# Altium PCB VESC_6.4.1.PcbDoc (continued)
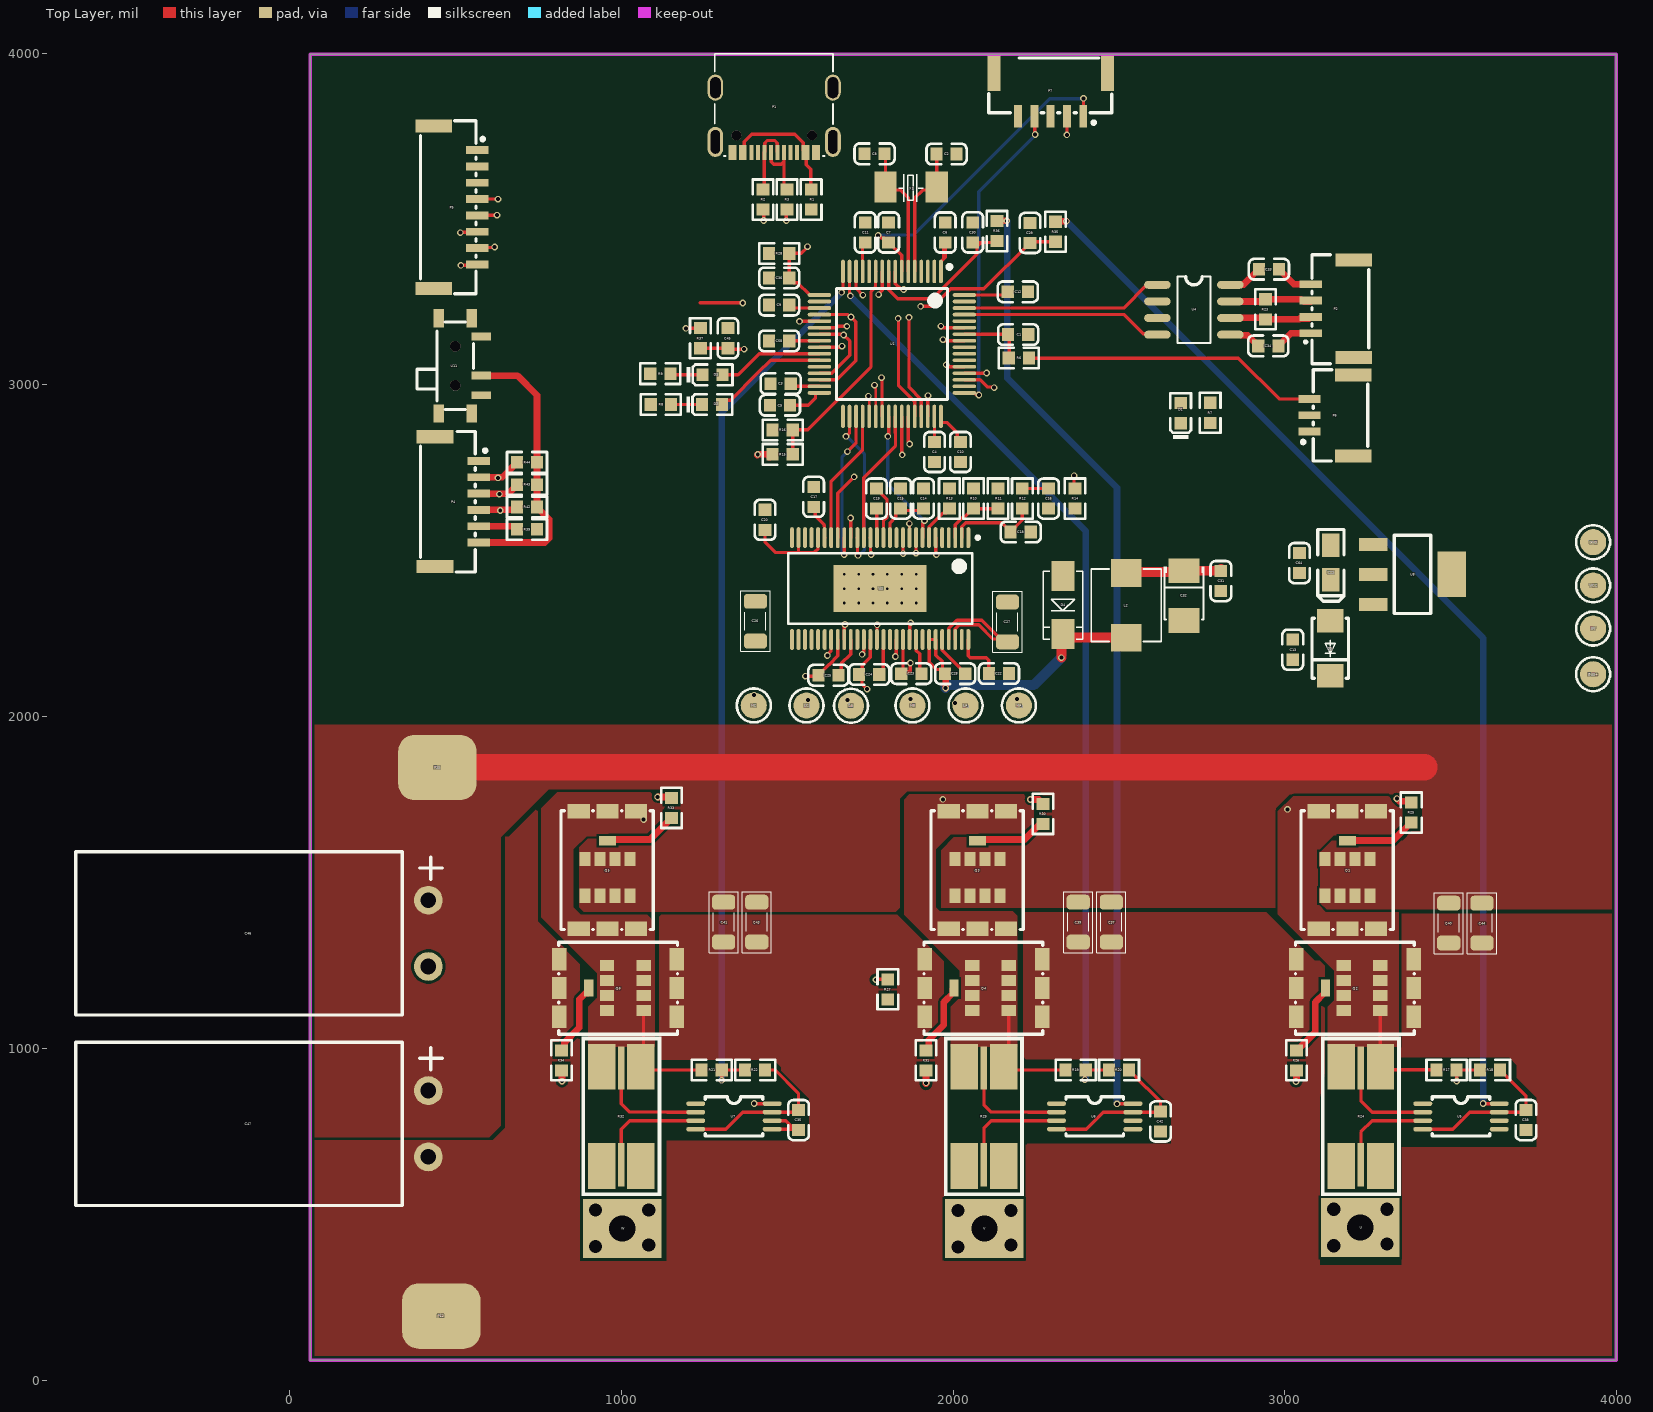
[diagram p0: Top Layer view]
## Footprints (in the part's own frame and the unit in brackets; to place one, negate y for a bottom-side part, rotate by r counter-clockwise, add the part's x,y. Pads: shape width x height; smd on the part's side, far side on the other; paste and mask are expansions set on the pad)
0603_C [mm]
  rect 0.93x0.98 smd: 1(-0.77,0) 2(0.77,0)
  silkscreen extent -1.53,-0.79 1.54,0.79, body extent -0.8,-0.4 0.8,0.4, height 0.3
0603_LED_S1 [mm]
  rect 0.93x0.98 smd: A(0.77,0) K(-0.77,0)
  silkscreen extent -1.98,-0.79 1.54,0.79, body extent -0.8,-0.4 0.8,0.4, height 0.6
0603_R [mm]
  rect 0.93x0.98 smd: 1(-0.77,0) 2(0.77,0)
  silkscreen extent -1.53,-0.79 1.54,0.79, body extent -0.85,-0.4 0.85,0.4, height 0.56
1206_C [mil] "Capacitor"
  rrect50% 45x70 smd: 1(-60,0) 2(60,0)
  silkscreen extent -92,-44 91,44, body extent -63,-31 63,31, height 47
CAP-SMD_L3.5-W2.8-R-RD [mm] "100uf"
  rect 1.9x2.376 smd mask+0.051: 1(1.899,0) 2(-1.899,0)
  silkscreen extent -1.83,-1.55 2.21,1.55, body extent -1.85,-1.4 1.85,1.4, height 1.95
CAP-TH_BD12.5-P5.00-D1.2-FD [mm]
  round 2.2 hole 1.2: 1(-2.54,0) 2(2.54,0)
  silkscreen extent -6.24,-27 6.26,1.07, body extent -6.5,-28.78 6.49,1.22, height 6.49
CASE-A_3216 [mm]
  rect 1.8x1.35 smd: 1(1.31,0) 2(-1.31,0)
  silkscreen extent -2.54,-1 2.97,1, body extent -1.7,-0.84 1.7,0.84, height 1.71
CONN-SMD_3P-P1.25_XUNPU_WAFER-GH1.25-3PLB [mm]
  rect 0.6x1.7 smd: 1(-1.25,1.675) 2(0,1.675) 3(1.25,1.675)
  rect 1x2.8 smd: 4(3.1,-1.675) 5(-3.1,-1.675)
  silkscreen extent -3.5,-2.79 3.5,2.29, body extent -3.53,-2.78 3.53,2.17, height 4.2
CONN-SMD_4P-P1.25_GH1.25-4PLI [mm]
  rect 0.6x1.7 smd: 1(-1.875,1.65) 2(-0.625,1.65) 3(0.625,1.65) 4(1.875,1.65)
  rect 1x2.8 smd: 5(-3.725,-1.65) 6(3.725,-1.65)
  silkscreen extent -4.21,-2.8 4.13,2.14, body extent -4.13,-2.66 4.17,2.28, height 4.03
CONN-SMD_5P-P1.25_XUNPU_WAFER-GH1.25-5PLB [mm]
  rect 0.6x1.7 smd: 1(-2.5,1.675) 2(-1.25,1.675) 3(0,1.675) 4(1.25,1.675) 5(2.5,1.675)
  rect 1x2.8 smd: 6(4.35,-1.675) 7(-4.35,-1.675)
  silkscreen extent -4.69,-2.79 4.75,2.29, body extent -4.75,-2.8 4.75,2.16, height 4.2
CONN-SMD_6P-P1.25_WAFER-GH1.25-6PLB [mm]
  rect 0.6x1.7 smd: 1(-3.125,1.675) 2(-1.875,1.675) 3(-0.625,1.675) 4(0.625,1.675) 5(1.875,1.675) 6(3.125,1.675)
  rect 1x2.8 smd: 7(4.975,-1.675) 8(-4.975,-1.675)
  silkscreen extent -5.38,-2.79 5.37,2.29, body extent -5.4,-2.8 5.4,2.14, height 4.03
CONN-SMD_8P-P1.25_WAFER-GH1.25-8PLB [mm]
  rect 0.6x1.7 smd paste+0 mask+0.05: 1(-4.375,1.675) 2(-3.125,1.675) 3(-1.875,1.675) 4(-0.625,1.675) 5(0.625,1.675) 6(1.875,1.675) 7(3.125,1.675) 8(4.375,1.675)
  rect 1x2.8 smd paste+0 mask+0.05: 10(6.225,-1.675) 11(-6.225,-1.675)
  silkscreen extent -6.62,-2.67 6.63,2.21, body extent -6.63,-2.8 6.63,2.15, height 4.15
DIODE_3*5.3 [mm]
  rect 2.3x1.75 smd: 1(-2.286,0) 2(2.159,0)
  silkscreen extent -2.67,-1.5 2.54,1.5, body extent -2.6,-1.4 2.6,1.4, height 2
DIRECTFET_L9.1-W7.0_IRF7759L2TRPBF [mm]
  rect 0.7x1.3 smd: 1(-2.25,0)
  rect 1.1x1.7 smd: 2(-4.5,2.2) 2(-4.5,0) 2(-4.5,-2.2) 2(4.5,2.2) 2(4.5,0) 2(4.5,-2.2)
  rect 1.1x0.85 smd: 3(-0.85,1.725) 3(-0.85,0.575) 3(-0.85,-0.575) 3(-0.85,-1.725) 3(1.95,1.725) 3(1.95,-0.575) 3(1.95,0.575) 3(1.95,-1.725)
  silkscreen extent -4.55,-3.55 4.55,3.5, body extent -4.55,-3.5 4.55,3.5, height 0.84
DRV8301 [mm]
  oval 1.6x0.3 smd: 1(-3.9,6.75) 2(-3.9,6.25) 3(-3.9,5.75) 4(-3.9,5.25) 5(-3.9,4.75) 6(-3.9,4.25) 7(-3.9,3.75) 8(-3.9,3.25) 9(-3.9,2.75) 10(-3.9,2.25) 11(-3.9,1.75) 12(-3.9,1.25) 13(-3.9,0.75) 14(-3.9,0.25) 15(-3.9,-0.25) 16(-3.9,-0.75) 17(-3.9,-1.25) 18(-3.9,-1.75) 19(-3.9,-2.25) 20(-3.9,-2.75) 21(-3.9,-3.25) 22(-3.9,-3.75) 23(-3.9,-4.25) 24(-3.9,-4.75) 25(-3.9,-5.25) 26(-3.9,-5.75) 27(-3.9,-6.25) 28(-3.9,-6.75) 29(3.9,-6.75) 30(3.9,-6.25) 31(3.9,-5.75) 32(3.9,-5.25) 33(3.9,-4.75) 34(3.9,-4.25) 35(3.9,-3.75) 36(3.9,-3.25) 37(3.9,-2.75) 38(3.9,-2.25) 39(3.9,-1.75) 40(3.9,-1.25) 41(3.9,-0.75) 42(3.9,-0.25) 43(3.9,0.25) 44(3.9,0.75) 45(3.9,1.25) 46(3.9,1.75) 47(3.9,2.25) 48(3.9,2.75) 49(3.9,3.25) 50(3.9,3.75) 51(3.9,4.25) 52(3.9,4.75) 53(3.9,5.25) 54(3.9,5.75) 55(3.9,6.25) 56(3.9,6.75)
  rect 3.61x7.11 smd: 57(0,0)
  silkscreen extent -4.02,-7.05 2.7,7.6, body extent -4.05,-7.05 4.05,7.05, height 1.2
IND-SMD_L5.0-W5.0 [mm]
  rect 2.124x2.32 smd: 1(2.478,0) 2(-2.478,0)
  silkscreen extent -2.78,-2.68 2.78,2.68, body extent -2.52,-2.51 2.5,2.49, height 2.11
LQFP-64_10x10x05P [mm]
  oval 0.28x1.8 smd mask+0.051: 1(-3.75,-5.55) 2(-3.25,-5.55) 3(-2.75,-5.55) 4(-2.25,-5.55) 5(-1.75,-5.55) 6(-1.25,-5.55) 7(-0.75,-5.55) 8(-0.25,-5.55) 9(0.25,-5.55) 10(0.75,-5.55) 11(1.25,-5.55) 12(1.75,-5.55) 13(2.25,-5.55) 14(2.75,-5.55) 15(3.25,-5.55) 16(3.75,-5.55) 33(3.75,5.55) 34(3.25,5.55) 35(2.75,5.55) 36(2.25,5.55) 37(1.75,5.55) 38(1.25,5.55) 39(0.75,5.55) 40(0.25,5.55) 41(-0.25,5.55) 42(-0.75,5.55) 43(-1.25,5.55) 44(-1.75,5.55) 45(-2.25,5.55) 46(-2.75,5.55) 47(-3.25,5.55) 48(-3.75,5.55)
  oval 1.8x0.28 smd mask+0.051: 17(5.55,-3.75) 18(5.55,-3.25) 19(5.55,-2.75) 20(5.55,-2.25) 21(5.55,-1.75) 22(5.55,-1.25) 23(5.55,-0.75) 24(5.55,-0.25) 25(5.55,0.25) 26(5.55,0.75) 27(5.55,1.25) 28(5.55,1.75) 29(5.55,2.25) 30(5.55,2.75) 31(5.55,3.25) 32(5.55,3.75) 49(-5.55,3.75) 50(-5.55,3.25) 51(-5.55,2.75) 52(-5.55,2.25) 53(-5.55,1.75) 54(-5.55,1.25) 55(-5.55,0.75) 56(-5.55,0.25) 57(-5.55,-0.25) 58(-5.55,-0.75) 59(-5.55,-1.25) 60(-5.55,-1.75) 61(-5.55,-2.25) 62(-5.55,-2.75) 63(-5.55,-3.25) 64(-5.55,-3.75)
  silkscreen extent -4.55,-6.05 4.25,4.25, body extent -6.01,-6.01 6.01,6.01, height 1.6
MOTOR_PAD [mil]
  round 60 hole 39.37: 1(-55,80) 1(-50,-80) 1(55,80) 1(55,-80)
  rect 177.17x236.22 hole 78.74: 1(0,0)
MSK-12C01-07 [mm]
  rect 1.4x0.8 smd: 0(-3.65,-1.25) 0(-3.65,1.25) 0(3.65,-1.25) 0(3.65,1.25)
  rect 0.6x1.5 smd: 1(2.25,1.996) 2(0.75,1.996) 3(-2.25,1.996)
  round 0.8 hole 0.8: " "(-1.5,0) " "(1.5,0)
  silkscreen extent -3.35,-2.92 3.35,1.4, body extent -3.92,-2.89 3.92,2.41, height 1.5
"Power Pad 6x6mm" [mm]
  rrect50% 5x6 smd: 1(0,0)
R3920 [mm]
  rect 3.5x2.1 smd: 1(-3.8,-1.5) 1(-3.8,1.5) 2(3.8,-1.5) 2(3.8,1.5)
  rect 3.3x0.5 smd: 1(-3.7,0) 2(3.7,0)
  silkscreen extent -6.1,-3.05 6.1,3.05, body extent -5.46,-2.77 5.46,2.75, height 2
SMA_L4.4-W2.8-LS5.4-RD [mm]
  rect 1.8x2 smd: 1(-2.1,0) 2(2.1,0)
  silkscreen extent -2.3,-1.4 2.3,1.4, body extent -2.61,-1.3 2.59,1.3, height 2.4
SOT-223 [mm]
  rect 2.2x1 smd: 1(3,-2.3) 2(3,0) 3(3,2.3)
  rect 2.2x3.5 smd: 2(-3,0)
  silkscreen extent -1.4,-3 1.4,3, body extent -3.49,-3.24 3.49,3.24, height 1.64
TEST_2mm [mm] "2mm"
  round 2 smd: 1(0,0)
  silkscreen extent -1.3,-1.3 1.3,1.3
TJA1050 [mil]
  oval 80x23.62 smd: 1(0,0) 2(0,-50) 3(0,-100) 4(0,-150) 5(220,-150) 6(220,-100) 7(220,-50) 8(220,0)
  silkscreen extent 60,-175 160,25, body extent -3,-172 225,21, height 57
TSSOP-8_L4.4-W3.0-P0.65-LS6.4-BL [mil]
  oval 13.9x57.24 smd mask+2: 1(-38.39,-115.24) 2(-12.79,-115.24) 3(12.8,-115.24) 4(38.39,-115.24) 5(38.39,115.24) 6(12.8,115.24) 7(-12.79,115.24) 8(-38.39,115.24)
  silkscreen extent -59,-87 59,87, body extent -49,-127 49,127, height 44
"USB-C-SMD_16P - duplicate2" [mm]
  oval 1.2x2.3 hole 0.7 slot 1.8 at 90 deg: 1(4.5,-1.675) 2(-4.5,-1.675)
  oval 1.2x2 hole 0.8 slot 1.6 at 90 deg: 3(4.5,2.475) 4(-4.5,2.475)
  rect 0.6x1.15 smd: A1B12(3.2,-2.473) A4B9(2.4,-2.471) B1A12(-3.2,-2.475) B4A9(-2.4,-2.475)
  rect 0.3x1.15 smd: A5(1.25,-2.475) A6(0.25,-2.475) A7(-0.25,-2.473) B5(-1.75,-2.475) B6(-0.75,-2.475) B7(0.75,-2.473)
  rect 0.3x1.148 smd: A8(1.75,-2.475) B8(-1.25,-2.475)
  round 0.75 hole 0.75 unplated: ""(-2.89,-1.175) ""(2.89,-1.175)
  silkscreen extent -4.56,-2.75 4.5,5.08, body extent -4.45,-2.87 4.49,5.03, height 3.25
晶振 [mm] "XTAL_SMD5032"
  rect 1.7x2.4 smd: 1(-2.071,0.058) 2(1.85,0.057)
  silkscreen extent -1.06,-0.93 0.84,1.17, body extent -2.57,-1.45 2.43,1.75, height 1.41

## Part data
5V BUS+ GND HA HB HC LA LB LC VCC: "测试点"
C1 C7 C58: library part "0603 100nF (104) 10% 50V", "贴片电容", Package=0603, SuppliersPartNumber=C14663, ComponentLink1Description=供应商链接, ComponentLink1URL=http://www.szlcsc.com/product/details_15331.html, Supplier=LC
C2 C8 C34: library part CAP, "贴片电容"
  C34: LatestRevisionDate=17-Jul-2002, LatestRevisionNote="Re-released for DXP Platform.", PackageReference=RAD-0.3, Published=8-Jun-2000, Publisher="Altium Limited"
C3 C4 C5 C6 C9 C10 C11 C12 C13 C64: library part "0603 2.2uF (225) 10% 16V", "贴片电容", Package=0603, SuppliersPartNumber=C23630, ComponentLink1Description=供应商链接, ComponentLink1URL=http://www.szlcsc.com/product/details_24366.html, Supplier=LC
C14 C15 C16 C17 C18 C19 C20 C22 C23 C24 C25 C26 C27 C28 C29 C30 C31 C35 C36 C38 C42 C45: library part CAP
C21: library part "3528 100uF (107) 10% 6.3V", "钽电容", Package=3528, SuppliersPartNumber=C16133, ComponentLink1Description=供应商链接, ComponentLink1URL=http://www.szlcsc.com/product/details_16815.html, Supplier=LC
C32: library part CAP_HER
C33: library part CAP, "Capacitor", LatestRevisionDate=17-Jul-2002, LatestRevisionNote="Re-released for DXP Platform.", PackageReference=RAD-0.3, Published=8-Jun-2000, Publisher="Altium Limited"
C37 C39 C40 C41 C43 C44: library part Cap_6, "无极性电容", LatestRevisionDate=17-Jul-2002, LatestRevisionNote="Re-released for DXP Platform.", PackageReference=RAD-0.3, Published=8-Jun-2000, Publisher="Altium Limited"
C46 C47: library part 680uF, BOM_Manufacturer=AISHI, BOM_Manufacturer Part=ERR1JM681W25OT, BOM_Supplier=LCSC, BOM_Supplier Part=C106632, nameAlias=Capacitance, spicePre=C, spiceSymbolName=ERR1JM681W25OT
D1: library part "0603 蓝灯", "发光二极管", Package=0603, SuppliersPartNumber=C72041, ComponentLink1Description=供应商链接, ComponentLink1URL=http://www.szlcsc.com/product/details_73150.html, Supplier=LC
D2: library part "0603 红灯", "发光二极管", Package=0603, SuppliersPartNumber=C2286, ComponentLink1Description=供应商链接, ComponentLink1URL=http://www.szlcsc.com/product/details_2659.html, Supplier=LC
D3: library part "0603 绿灯", "发光二极管", Package=0603, SuppliersPartNumber=C72043, ComponentLink1Description=供应商链接, ComponentLink1URL=http://www.szlcsc.com/product/details_73152.html, Supplier=LC
D4: library part "D Schottky", "Schottky Diode", Code_JEDEC=DO-214-AA, LatestRevisionDate=17-Jul-2002, LatestRevisionNote="Re-released for DXP Platform.", PackageDescription="DO-214-AA/SMB; 2 C-Bend Leads; Body 5.3 x 3.6 mm, inc. leads (LxW)", PackageReference=SMB, Published=8-Jun-2000, Publisher="Altium Limited"
D5: BOM_Manufacturer="Shandong Jingdao Microelectronics", BOM_Manufacturer Part=SMAJ5.0A, BOM_Supplier=LCSC, BOM_Supplier Part=C353442, Contributor=LCSC, spicePre=D, spiceSymbolName=SMAJ5.0A_C353442
L2: library part IND
P1: library part "TYPE-C 16P(073)_1", BOM_Manufacturer="SHOU HAN", BOM_Manufacturer Part="TYPE-C 16P(073)", BOM_Supplier=LCSC, BOM_Supplier Part=C668624, Contributor=LCSC, spicePre=U, spiceSymbolName="TYPE-C 16P(073)"
P2: library part "Header 4", "Header, 4-Pin", LatestRevisionDate=17-Jul-2002, LatestRevisionNote="Re-released for DXP Platform.", Publisher="Altium Limited"
P4: library part "Header 6", "Header, 6-Pin", LatestRevisionDate=17-Jul-2002, LatestRevisionNote="Re-released for DXP Platform.", Publisher="Altium Limited"
P5: library part "Header 8", "Header, 8-Pin", LatestRevisionDate=17-Jul-2002, LatestRevisionNote="Re-released for DXP Platform.", Publisher="Altium Limited"
P6: library part "Header 3", "接插件", LatestRevisionDate=17-Jul-2002, LatestRevisionNote="Re-released for DXP Platform.", Publisher="Altium Limited"
P7: library part "Header 5", "Header, 5-Pin", LatestRevisionDate=17-Jul-2002, LatestRevisionNote="Re-released for DXP Platform.", Publisher="Altium Limited"
P11: library part PadS
P12: library part PadS_1
Q1 Q2 Q3 Q4 Q5 Q6: "MOS(场效应管)"
R1 R2 R3 R6 R7 R8 R9 R10 R11 R12 R13 R14 R15 R16 R17 R18 R19 R20 R21 R22 R27 R28 R35 R36 R37 R39 R42 R43 R44: library part Res2, "Resistor", LatestRevisionDate=17-Jul-2002, LatestRevisionNote="Re-released for DXP Platform.", PackageDescription="Axial Device, Thru-Hole; 2 Leads; 0.4 in Pin Spacing", PackageReference=AXIAL-0.4, Published=8-Jun-2000, Publisher="Altium Limited"
R23 R24 R25 R26 R29 R30 R31 R32 R33 R34: "贴片电阻", LatestRevisionDate=17-Jul-2002, LatestRevisionNote="Re-released for DXP Platform.", PackageReference=AXIAL-0.4, Published=8-Jun-2000, Publisher="Altium Limited"
U V W: library part HDR-PAD_2.54, "Header"
U3: "预驱"
U5 U6 U7: "INA240 电压输出、高/低侧测量、双向零漂移系列", JLCPCB Part Class=扩展库, Manufacturer=TI(德州仪器), Add into BOM=yes, Convert to PCB=yes, Datasheet=https://atta.szlcsc.com/upload/public/pdf/source/20180125/C93965_15168617716381301969.pdf, Device=INA240A1PWR, LCSC Part Name=INA240A1PWR, Manufacturer Part=INA240A1PWR, Name=INA240A1PWR, Supplier=LCSC, Supplier Footprint=TSSOP-8_3x4.4x065P, Supplier Part=C93965, Symbol=INA240A1PWR
U8: library part "SOT-223 AMS1117-3.3", "低压差线性稳压(LDO)", Package=SOT-223, SuppliersPartNumber=C6186, ComponentLink1Description=供应商链接, ComponentLink1URL=http://www.szlcsc.com/product/details_6652.html, Supplier=LC
X1: library part CRYSTAL, "XTAL_SMD5032 Crystal"

## Via types
v1: diameter 20, hole 12, Top Layer to Bottom Layer, 93 vias
v2: diameter 19.68, hole 7.87, Top Layer to Bottom Layer, 18 vias

## Nets (pads, with @x,y where several pads share a name; then routed paths per layer and width w, separated by ;. In a path a pad name is that pad's centre, name@x,y a point inside that pad or via, vN(x,y) a via of type N, cw(c..) or ccw(c..) an arc to the next point about the centre after c; other vN are vias at no path point)
+5: 5V.1 C13.2 C31.2 C32.1 C33.1 D5.1 L2.2 P2.4 P5.1 P6.2 R1.1 R11.1 U4.3 U8.3 U11.3 | length 405.9
  Top Layer w20: C33.1 2982.32,3348.02 2990.62,3339.71 2991.61,3339.71 3027.49,3303.82 P2.4
  Top Layer w30: L2.2 2525.2,2436.76 2692.8,2436.76 C32.1 2801.67,2439.97 2807.02,2445.32 C31.2@2808,2445.32
A: R24.2 U5.3 U.1 | length 299.3
  Top Layer w10: R24.2@3229.28,649.51 3229.28,748.28 3263.2,782.2 U5.3
ADC_15: P5.8 U1.25 | length 1456.4
  Top Layer w10: v1(515.91,3360.91) 562.88,3360.91 P5.8 ; U1.25 1659.04,3113.87 1662.29,3117.12 v1(1665,3117.12)
  power w10: v1(515.91,3360.91) 557.09,3360.91 905,3013 1466.86,3013 1570.98,3117.12 v1(1665,3117.12)
ADC_TEMP: C36.1 R27.1 R28.1 U1.17 | length 2847.6
  Top Layer w10: v1@1561,3416 1541.7,3396.71 R28.1 C36.1 1505.89,3321.86 1519.2,3308.55 1529.95,3308.55 1567.15,3271.35 U1.17 ; v1@1763,1205 1766.31,1208.31 R27.1
  GND w20: v1(1561,3417) 1561,3402.91 1245.9,3087.8 1245.9,1728 v1(1766.81,1207.09)
AN_IN: R15.1 R16.1 U1.11 | length 680.6
  Top Layer w10: R15.1 R16.1 ; R16.1@1516.31,2864.98 1561.98,2864.98 1752.51,3055.51 1752.51,3282.04 1766.17,3295.69 1766.17,3342.02 U1.11
B: R29.2 U6.3 V.1 | length 338.7
  Top Layer w10: R29.2@2092.89,649.51 2092.89,760.07 2115,782.18 2215.31,782.18 2215.7,781.79 2311.13,781.79 U6.3
C: R32.2 U7.3 W.1 | length 342.5
  Top Layer w10: R32.2@999.72,649.51 999.72,756.89 1025,782.18 1126.56,782.18 1126.95,781.79 1223.63,781.79 U7.3
CAN_RX: U1.61 U4.4 | length 606.7
  Top Layer w10: U1.61 2515.71,3212.29 2573.52,3154.48 2613.14,3154.48 U4.4
CAN_TX: U1.62 U4.1 | length 610.6
  Top Layer w10: U1.62 2513.98,3231.98 2583.87,3301.87 U4.1
CANH: P2.3 R23.2 U4.7 | length 245.1
  Top Layer w20: U4.7 R23.2@2942,3251.87 ; R23.2 3049.68,3258.32 3056.38,3251.61 P2.3@3078.03,3251.61
CANL: P2.2 R23.1 U4.6 | length 243.4
  Top Layer w20: U4.6 2836.44,3202.56 R23.1@2942,3202.56 ; R23.1 3042.85,3197.69 3045.74,3200.57 3072.56,3200.57 P2.2@3076.18,3204.2
CURRENT_1: C29.1 R35.1 U1.8 | length 628.8
  Top Layer w10: U1.8 1825.61,3342.02 1825.61,3305.6 1841.54,3289.68 1848.85,3289.68 v1(1850.76,3287.76) ; v1(1902,3237) 1939.56,3237 1992.42,3289.86 2092.87,3289.86 2231.02,3428 C29.1 2235.69,3431.69 R35.1
  power w10: v1(1850.76,3287.76) 1851,3287.76 1901.76,3237 v1(1902,3237)
CURRENT_2: C30.1 R36.1 U1.9 | length 606.5
  Top Layer w10: 1238,3247.69 1365.31,3247.69 v1(1365.75,3247.25) ; U1.9 1805.93,3342.02 1805.93,3287.07 1833,3260 1937.1,3260 2071.71,3394.61 2071.71,3416.09 2085.02,3429.39 2086,3429.39 R36.1@2116,3429.39 ; C30.1 C30.1@2078.29,3429.69
CURRENT_3: C45.1 R37.1 U1.10 | length 680.8
  Top Layer w10: R37.1 C45.1 1323.68,3108 v1(1370,3108) ; v1(1775.51,3272.51) 1775.51,3275.21 1786.05,3285.75 U1.10
  power w10: v1(1370,3108) 1412.88,3108 1532.88,3228 1729.46,3228 1773.97,3272.51 v1(1775.51,3272.51)
EN_GATE: U1.57 U3.16 | length 855.9
  Top Layer w10: U3.16 1750.81,2539.45 1750.81,2493.89 1753,2491.71 v1(1753,2489) ; v1@1968,3135 1969.45,3133.55 U1.57
  power w10: v1(1753,2489) 1753,2516 1956,2719 1956,3123.56 v1(1969.25,3136.81)
FAULT: U1.59 U3.6 | length 1021.3
  Top Layer w10: U3.6 1947.66,2539.45 1947.66,2493.32 1949.62,2491.36 v1(1949.62,2488.66) ; v1@1962,3175 1964.08,3172.92 U1.59
  power w10: v1(1949.62,2488.66) 2164.59,2703.62 2164.59,3035.41 2022.78,3177.22 v1(1962.84,3177.22)
GH_A: HA.1 R25.1 U3.47 | length 1848.9
  Top Layer w10: U3.47 1868.92,2233.05 1868.92,2277.22 1871.76,2280.06 v1(1871.76,2282.76)
  Top Layer w20: v1(3337.46,1753.25) 3345.19,1745.53 3376.79,1745.53 R25.1
  power w20: v1(1871.76,2282.76) 2146.86,2007.67 ; v1(2192.09,2052.91) 2146.86,2007.67 ; v1(3337.46,1753.25) 2401.28,1753.25 2146.86,2007.67
GH_B: HB.1 R30.1 U3.42 | length 839.7
  Top Layer w10: U3.42 1770.5,2233.06 1770.5,2276.5 v1(1771,2277)
  Top Layer w20: v1(2233.38,1750.62) 2257.69,1750.62 R30.1
  power w20: v1(1771,2277) 1771,2153 v1(1871,2053) 2164.93,1759.07 2170.4,1753.6 2178.13,1753.23 v1(2233.38,1750.62)
GH_C: HC.1 R33.1 U3.37 | length 869.7
  Top Layer w10: R33.1@1148.31,1758 R33.1 ; U3.37 1672.07,2233.06 1672.07,2273.37 1674,2275.29 v1(1674,2278)
  Top Layer w20: v1(1109,1758) R33.1@1148.31,1758
  power w20: v1(1109,1758) 1110.91,1759.91 1152.72,1759.91 1670.8,2278 v1(1674,2278)
  other v1: 1400,2065
GL_A: LA.1 R26.1 U3.45 | length 1941.7
  Top Layer w10: v1(1825.89,2181.4) 1825.89,2184.1 1828.86,2187.07 1828.86,2232.36 U3.45
  Top Layer w20: v1@3035,903 R26.1
  power w20: v1(1825.89,2181.4) 1826.88,2180.4 1826.88,2158.13 1984.55,2000.46 ; v1(2006,2041) 1984.55,2019.55 1984.55,2000.46 ; v1(3033.46,900.25) 3033.46,998.54 2250,1782 2203.01,1782 1984.55,2000.46
GL_B: LB.1 R31.1 U3.40 | length 1500.2
  Top Layer w10: v1(1725.93,2188.07) 1725.93,2190.77 1730.43,2195.27 1730.43,2232.36 U3.40
  Top Layer w20: v1@1918,893 R31.1
  power w20: v1(1682.16,2050) 1683.16,2051 1708.86,2051 ; v1(1725.93,2188.07) 1725.93,2185.93 1708.86,2168.86 1708.86,2060 1708.86,2051 ; v1(1918.46,896.25) 1918.46,1841.39 1708.86,2051
GL_C: LC.1 R34.1 U3.35 | length 1833.3
  Top Layer w10: R34.1 R34.1@820.85,931.84 ; v1(1620.52,2184.48) 1620.52,2187.19 1632.01,2198.68 1632.01,2232.36 U3.35
  Top Layer w20: v1(820.85,901.42) R34.1@820.85,931.84
  power w20: v1@820,903 820,1348 1621,2149 ; v1@1561,2050 1549.18,2061.82 1621,2133.63 1621,2149 ; v1(1620.52,2184.48) 1621,2184 1621,2149
  other v1: 1562.58,2051
H1: U1.41 U3.17 | length 405.1
  Top Layer w10: U3.17 1730.78,2720.78 1826,2816 1826,2854.53 1825.42,2855.11 U1.41
H2: U1.42 U3.19 | length 430.2
  Top Layer w10: v1(1691,2599) 1691.21,2598.79 1691.21,2540 U3.19 ; U1.42 1845.1,2790.9 v1(1846.59,2789.41)
  power w10: v1@1691,2599.41 1846,2754.41 1846,2788.82 v1(1846.59,2789.41)
H3: U1.43 U3.21 | length 497.2
  Top Layer w10: U3.21 1652.04,2673.57 v1(1701.74,2723.26) ; U1.43 1864.79,2828.92 1869,2824.71 v1(1869,2822)
  power w10: v1(1701.74,2723.26) 1735.21,2723.26 1833.95,2822 v1(1869,2822)
HALL_1: P4.4 R42.2 U1.37 | length 1433.4
  Top Layer w8: U1.37 v1@1746.68,2961.3
  Top Layer w10: v1(1744.36,2966.32) 1744.36,2963.61 v1@1746.68,2961.3
  Top Layer w20: P4.4 676.71,2623.44 685.02,2631.75 R42.2
  power w10: v1(634.74,2621.59) 1399.64,2621.59 1726.13,2948.08 v1(1744.36,2966.32)
HALL_2: P4.3 R43.2 U1.38 | length 1490.1
  Top Layer w8: v1(1762.92,2999.32) 1765.22,2997.02 1765.22,2989.77 1766.36,2988.63 U1.38
  Top Layer w20: P4.3 659.12,2672.65 685.02,2698.54 R43.2
  power w10: v1(631.77,2670.8) 1406.8,2670.8 1736,3000 1762.24,3000 v1(1762.92,2999.32)
HALL_3: P4.2 R44.2 U1.39 | length 1533.9
  Top Layer w8: v1(1784,3022) 1785.47,3020.53 1785.47,2905.78 U1.39
  Top Layer w20: P4.2 570.14,2721.99 640.57,2721.99 676.15,2757.57 676.71,2757.57 685.02,2765.87 R44.2
  power w10: v1(627.81,2720.14) 1420.14,2720.14 1723,3023 1783,3023 v1(1784,3022)
L1: U1.34 U3.18 | length 511.9
  Top Layer w10: v1(1677,2845) 1687.62,2855.62 U1.34 ; U3.18 1711.44,2539.45 1711.44,2488.03 v1(1713.02,2486.45)
  Bottom Layer w10: v1(1677,2845) 1678.6,2845 1733,2790.6 1733,2502.76 1721.7,2491.45 1720.72,2491.45 1715.72,2486.45 v1(1713.02,2486.45)
L2: U1.35 U3.20 | length 487.9
  Top Layer w10: v1(1671.58,2488.71) 1671.65,2488.78 1671.65,2539.72 U3.20 ; v1(1681,2799) 1707.31,2825.31 U1.35
  Bottom Layer w10: v1(1671.58,2488.71) 1671.58,2491.41 1665,2497.99 1665,2783 v1(1681,2799)
L3: U1.36 U3.22 | length 404.9
  Top Layer w10: U3.22 1632.01,2540.14 1632.01,2709.48 1726.99,2804.47 U1.36
LED_GREEN: D3.A U1.26 | length 318.7
  Top Layer w10: D3.A 1351.67,3030.71 1415.14,3094.18 U1.26
LED_RED: D2.A U1.27 | length 348.3
  Top Layer w10: D2.A@1303.63,2941.98 1315.87,2954.22 1329.22,2954.22 1411.29,3036.29 1449.5,3074.5 U1.27
MISO_ADC_EXT2: P5.7 U1.22 | length 1405
  Top Layer w10: P5.7 567.17,3414.42 616.42,3414.42 v1(618,3416) ; U1.22 1649.38,3172.92 1653.55,3177.09 v1(1679.38,3177.09)
  power w10: v1(618,3416) 985,3049 1451.95,3049 1580.95,3178 1678.47,3178 v1(1679.38,3177.09)
NetC2_2: C2.2 U1.5 X1.1 | length 406.1
  Top Layer w10: U1.5 1884.47,3564.12 1907.93,3587.57 1941.39,3587.57 X1.1 1950.54,3696.85 C2.2@1953.68,3700
NetC3_2: C3.2 U1.31 | length 96.1
  Top Layer w10: C3.2@1506,3008 1518.24,2995.76 U1.31
NetC4_2: C4.2 U1.47 | length 77.1
  Top Layer w10: U1.47 1943.53,2828.79 C4.2@1944,2828.31
NetC8_2: C8.2 U1.6 X1.2 | length 404.7
  Top Layer w10: X1.2 C8.2@1796.18,3702.97 ; X1.2@1802.18,3597.75 1811.93,3588 1841,3588 1864.79,3564.21 U1.6
NetC14_2: C14.2 C15.2 U3.13 | length 169.5
  Top Layer w10: U3.13@1808.74,2539.8 1809.87,2540.92 1809.87,2585.25 1827.28,2602.66 1827.28,2611.4 1840.59,2624.71 1841.58,2624.71 1844.89,2621.39 C14.2@1910.58,2621.39
NetC16_1: C16.1 R12.2 | length 79
  Top Layer w10: R12.2 C16.1
NetC17_2: C17.2 U3.23 | length 108.9
  Top Layer w10: C17.2@1571.58,2631.71 1583.91,2619.37 1583.91,2605.23 1611,2578.14 1611,2574.02 1612.32,2572.69 1612.32,2540.14 U3.23
NetC18_1: C18.1 R12.1 U3.2 | length 281
  Top Layer w10: U3.2 2026.4,2540.14 2026.4,2572.78 2037.91,2584.29 2146.98,2584.29 C18.1@2173.42,2557.85 ; C18.1 C18.1@2173.42,2557.85 ; R12.1 2208.58,2593.01 C18.1@2173.42,2557.85
NetC19_1: C19.1 U3.14 | length 166.7
  Top Layer w10: C19.1 1769.56,2688.02 1782.87,2674.72 1782.87,2672.72 1800.87,2654.72 1800.87,2601.7 1789.84,2590.67 U3.14
NetC19_2: C19.2 U3.15 | length 86.3
  Top Layer w10: C19.2@1768.58,2625.39 1770.15,2623.82 U3.15
NetC20_2: C20.2 U3.24 U3.27 | length 306.3
  Top Layer w10: C20.2@1436.98,2567.3 1432.98,2571.3 1432.98,2567.3 1432.98,2525.3 1462.99,2495.3 1533.58,2495.3 ; U3.27 1533.58,2539.45 1533.58,2495.3 ; U3.24 1592.64,2539.45 1592.64,2506.81 1581.13,2495.3 1533.58,2495.3
NetC22_2: C22.2 U3.56 | length 157
  Top Layer w10: U3.56 2045.74,2183.86 2051.6,2178 2100.45,2178 2107.68,2170.77 C22.2
NetC23_2: C23.2 U3.48 | length 109.6
  Top Layer w10: U3.48 1888.61,2232.36 1888.61,2205.49 1889.04,2205.06 1889.04,2199.29 1898.9,2189.43 1898.9,2134.99 C23.2
NetC24_2: C24.2 U3.43 | length 110.9
  Top Layer w10: C24.2 1789.06,2138.74 1789.06,2205.85 1789.84,2206.63 U3.43
NetC25_2: C25.2 U3.38 | length 120.1
  Top Layer w10: C25.2@1654.32,2128 1663,2136.68 1663,2160.54 1691.06,2188.61 1691.06,2232.36 U3.38
NetC28_1: C28.1 D4.2 L2.1 U3.50 U3.51 | length 953.6
  Top Layer w10: C28.1 C28.1@1968,2137.56 ; D4.2@2326,2244 D4.2 ; C28.1@1968,2137.56 1968,2165 1947.32,2185.68 U3.51 U3.50 1927.98,2232.36 1927.98,2164.02 1949.66,2142.34 1963.22,2142.34 C28.1@1968,2137.56
  Top Layer w20: C28.1 1977.24,2128.32 v1(1977.24,2086.24)
  Top Layer w30: v1(2326,2178) D4.2@2326,2244 ; D4.2 2341.56,2238.44 L2.1
  Bottom Layer w30: v1(1977.24,2086.24) 1986,2095 2243,2095 v1(2326,2178)
NetC28_2: C28.2 U3.52 | length 131.8
  Top Layer w10: U3.52 1967.35,2232.36 1967.35,2199.72 2023.07,2144 2023.17,2144 2036.48,2130.69 C28.2
NetD1_K: D1.K R7.2 | length 0.7
  Top Layer w20: D1.K D1.K@2686.5,2885.18
NetD2_K: D2.K R8.2 | length 94.1
  Top Layer w10: R8.2 D2.K
NetD3_K: D3.K R9.2 | length 97.8
  Top Layer w10: R9.2 1151.06,3030.71 D3.K
NetP1_A4B9: P1.A4B9 P1.B4A9 R1.2 | length 384.5
  Top Layer w10: P1.B4A9 1370.65,3706.04 1370.65,3733.65 1393,3756 1523.05,3756 1548.4,3730.65 1548.4,3708.01 1557,3699.41 1557,3664 1571.02,3649.98 R1.2@1571.02,3587.32
NetP1_A6: P1.A6 P1.B6 R2.2 | length 214.6
  Top Layer w10: R2.2 1430.9,3593.21 P1.B6 1431.68,3702.12 1431.68,3729.42 1439.3,3737.04 1461.88,3737.04 1469.49,3729.42 1469.49,3702.12 P1.A6
NetP1_A7: P1.A7 P1.B7 R3.2 | length 191.5
  Top Layer w10: P1.A7 1451.36,3700.62 1451.36,3673.32 1458.98,3665.7 1481.56,3665.7 1489.17,3673.32 ; P1.B7@1489.17,3700.63 P1.B7 1489.96,3596.35 R3.2@1499,3587.32
NetP4_6: P4.6 R42.1 R43.1 R44.1 U11.2 | length 855.8
  Top Layer w20: P4.6 768.85,2525.01 781.95,2538.11 781.95,2594.9 745.65,2631.21 R42.1 R43.1 R44.1 745.65,2968.86 686.23,3028.28 U11.2
NetP6_3: P6.3 R6.2 | length 896.9
  Top Layer w10: R6.2 2859.37,3081 2982.51,2957.86 P6.3
NetQ1_1: Q1.1 R25.2 | length 210.5
  Top Layer w20: Q1.1@3191.08,1627 3326.33,1627 3378.24,1678.91 R25.2@3380.08,1678.91
NetQ2_1: Q2.1 R26.2 | length 225.4
  Top Layer w20: R26.2 3043.31,1002.62 3045.49,1002.62 3092.07,1049.2 3092.07,1139.7 3118.87,1166.5 3118.87,1178.31 Q2.1
NetQ3_1: Q3.1 R30.2 | length 212.3
  Top Layer w20: Q3.1 2076.9,1629.81 2215.15,1629.81 2263.02,1677.68 R30.2@2264,1677.68
NetQ4_1: Q4.1 R31.2 | length 222.9
  Top Layer w20: R31.2 1918.12,994.32 1926.42,1002.62 1926.42,1025.92 1971.95,1071.45 1971.95,1139.7 1998.75,1166.5 1998.75,1178.31 Q4.1
NetQ5_1: Q5.1 R33.2 | length 222.3
  Top Layer w20: Q5.1 961.53,1629.81 1086.13,1629.81 1141.71,1685.39 1141.71,1686.38 1150.02,1694.68 R33.2
NetQ6_1: Q6.1 R34.2 | length 226
  Top Layer w20: R34.2 819.98,994.32 828.29,1002.62 828.29,1018.29 873,1063 873,1147.78 891.72,1166.5 897.64,1166.5 901.41,1170.28 Q6.1
NetR10_1: R10.1 R11.2 U3.3 | length 188
  Top Layer w10: U3.3 2006.72,2540.14 2006.72,2578.55 2030.45,2602.29 2035.49,2602.29 2060.59,2627.39 R11.2
NetR13_2: R13.2 U3.7 | length 112.3
  Top Layer w10: U3.7 1927.98,2540.14 1927.98,2572.78 1969.28,2614.09 1978.28,2614.09 R13.2@1986.59,2622.39
NetR14_1: R14.1 U3.1 | length 39.9
  Top Layer w10: v1(2364.58,2726.71) 2364.58,2691.02 R14.1
NetR35_2: R35.2 U5.8 | length 3262.1
  Top Layer w10: v1(3598,834) 3598.31,833.69 3645.94,833.69 U5.8
  Top Layer w20: R35.2 2310.39,3494 v1(2341,3494)
  Bottom Layer w20: v1(2341,3494) 3598,2237 v1(3598,834)
NetR36_2: R36.2 U6.8 | length 2878
  Top Layer w10: v1(2494,833) 2494.2,833.19 2541.83,833.19 U6.8
  Top Layer w20: R36.2 2132.68,3495 v1(2162,3495)
  Bottom Layer w20: v1(2162,3495) 2163,3494 2163,3021 2494,2690 v1(2494,833)
NetR37_2: R37.2 U7.8 | length 2521.2
  Top Layer w10: v1(1194,3171) 1237.68,3171 R37.2 ; v1(1400,834) 1400.3,833.69 1454.22,833.69 U7.8
  GND w20: v1(1194,3171) 1194,1713 1400,1507 v1(1400,834)
NRST: C7.2 P7.1 U1.7 | length 988.9
  Top Layer w10: v1(1774,3451) 1776.71,3451 1783.71,3444 1785.43,3444 1786.73,3442.7 1791.28,3442.7 1804.59,3429.39 1806.56,3429.39 1845.1,3390.85 U1.7 ; P7.1 2392.71,3810.37 2392.71,3863.71 v1(2393,3864)
  Bottom Layer w10: v1(1774,3451) 1775,3452 1880.35,3452 2291.35,3863 2392,3863 v1(2393,3864)
RX_SDA_NSS: P5.5 U1.20 U1.30 | length 1735.7
  Top Layer w10: P5.5 566.08,3511.76 624.3,3511.76 v1(624.8,3512.26) ; U1.30 1648.56,3015.44 1706,3072.88 1706,3191 v1(1692,3205) 1689.29,3205 1682,3212.29 U1.20
  power w10: v1@625,3509 625.35,3509 629.8,3504.55 629.8,3504.2 1067,3067 1444.49,3067 1582.49,3205 v1(1692,3205)
SCK_ADC_EXT: P5.4 U1.21 | length 1269.1
  Top Layer w10: P5.4 565.63,3560.43 v1(628,3560.38) v1(628,3560.38) ; v1(1536.98,3192.02) 1537.38,3192.41 1596.88,3192.41 U1.21
  power w10: v1@633,3563 1111,3085 1429.97,3085 v1(1536.98,3192.02)
SERVO: C1.2 R6.1 U1.58 | length 202.3
  Top Layer w10: U1.58 2164.45,3153.24 C1.2 ; C1.2@2166.68,3140 2168.95,3137.74 R6.1@2168.95,3070.71
SH_A: C23.1 Q1.2 Q2.3 R17.2 R24.1 U3.46 U5.2 | length 2095.9
  Top Layer w10: C23.1 C23.1@1849.88,2136.05 ; C23.1@1848.89,2135.05 U3.46 ; C23.1@1849.4,2135.57 1870.85,2135.57 v1(1870.85,2162.13) ; R24.1@3229.28,940.84 3229.28,841.71 3263.2,807.79 U5.2 ; Q2.3@3288,1114.17 3288,972.58 3324.59,935.98 R17.2@3457.06,935.98
  power w10: v1@1872,2155 1941,2155 2375,1721 v1(3008,1721)
SH_B: C24.1 Q3.2 Q4.3 R19.2 R29.1 U3.41 U6.2 | length 1265.1
  Top Layer w10: v1(1741,2083) 1725.43,2098.57 1725.43,2118.25 C24.1 1725.83,2136.14 1725.83,2155.43 1750.12,2179.73 1750.12,2232.36 U3.41 ; R29.1@2092.89,940.84 2092.89,830.28 2115,808.18 2226.08,808.18 2226.46,807.79 U6.2 ; R29.1@2151.95,944.78 2161.73,935 R19.2 ; R29.1@2167.88,978.98 Q4.3@2167.88,1114.17
  power w10: v1(1741,2083) 1969,1855 v1(1969,1751)
SH_C: C25.1 Q5.2 Q6.3 R21.2 R32.1 U3.36 U7.2 | length 1538.3
  Top Layer w10: R32.1@999.72,940.84 999.72,833.46 1025,808.18 1137.33,808.18 1137.71,807.79 U7.2 ; R32.1@1058.77,944.78 R32.1@1068.55,935 ; Q6.3@1066.76,1114.17 1066.76,960.23 1092,935 R21.2 ; v1(1554.7,2122.3) 1582.39,2122.3 1586.68,2118 C25.1 1593.68,2125.98 1624.99,2157.29 1625.86,2157.29 1651.69,2183.13 1651.69,2232.36 U3.36
  power w10: v1(1067,1690) 1122.4,1690 v1(1554.7,2122.3)
SL_A: C1.1 C2.1 C3.1 C4.1 C5.1 C6.1 C7.1 C8.1 C9.2 C10.2 C11.2 C12.2 C13.1 C14.1 C15.1 C16.2 C17.1 C18.2 C20.1 C21.2 C22.1 C26.1 C27.1 C29.2 C30.2 C31.1 C32.2 C33.2 C34.2 C35.1 C36.2 C37.1 C38.1 C39.1 C40.1 C41.1 C42.1 C43.1 C44.1 C45.2 C46.2 C47.2 C58.1 C64.1 D4.1 D5.2 GND.1 P1.1 P1.2 P1.3 P1.4 P1.A1B12 P1.B1A12 P2.1 P4.1 P5.3 P6.1 P7.3 P12.1 Q2.2 Q4.2 Q6.2 R7.1 R8.1 R9.1 R10.2 R13.1 R14.2 R16.2 R18.2 R20.2 R22.2 R28.2 U1.12 U1.18 U1.60 U1.63 U3.28 U3.30 U3.31 U3.32 U3.33 U3.34 U3.39 U3.44 U3.57 U4.2 U4.8 U5.4 U5.7 U6.4 U6.7 U7.4 U7.7 U8.1 | length 1764.5
  Top Layer w10: U7.4 1314.07,756.61 1365.25,807.79 U7.7 C35.1@1527.47,807.79 ; R22.2 1463,935 1533.78,864.22 C35.1@1533.78,814.53 ; U6.4 2401.57,756.61 2452.75,807.79 U6.7 2622.47,807.79 C42.1 2625,840.32 2584.8,880.51 2583.82,880.51 2530.32,934.02 R20.2 ; U5.4 3505.78,756.61 3556.96,807.79 U5.7 3720.48,807.79 C38.1 3727,855.71 3648.69,934.02 R18.2
  Top Layer w20: P12.1@383.34,274.66 P12.1@420,238 ; U4.8 2836.44,3302.56 2875.25,3302.56 2912.39,3339.71 2913.38,3339.71 2921.68,3348.02 C33.2 ; C34.2 2980.32,3118.98 2988.62,3127.29 2989.61,3127.29 3018.5,3156.19 P2.1
  other v2: 1671.73,2342.94 1715.03,2342.94 1758.34,2342.94 1801.65,2342.94 1844.95,2342.94 1888.26,2342.94 1671.73,2386.25 1715.03,2386.25 1758.34,2386.25 1801.65,2386.25 1844.95,2386.25 1888.26,2386.25 1671.73,2429.56 1715.03,2429.56 1758.34,2429.56 1801.65,2429.56 1844.95,2429.56 1888.26,2429.56
SPI3_CS: U1.40 U3.8 | length 415.6
  Top Layer w10: v1(1803,2845) 1803,2847.71 1805.73,2850.44 U1.40 ; U3.8 1908.29,2540.14 1908.29,2582.92 1913.75,2588.38 v1(1913.75,2591.09)
  Bottom Layer w10: v1(1803,2845) 1803,2700.47 1912.38,2591.09 v1(1913.75,2591.09)
SPI3_MISO: U1.52 U3.10 | length 664.2
  Top Layer w10: U3.10 1868.58,2585.58 v1@1869,2586 ; U1.52 2034.28,3035.32 2100.32,3035.32 v1(2101,3036)
  power w10: v1(1868,2582) 2100.59,2814.59 2100.59,3035.59 v1(2101,3036)
SPI3_MOSI: U1.53 U3.9 | length 930.7
  Top Layer w10: v1(1888,2493) 1888.13,2493.13 1888.13,2539.66 U3.9 ; v1(1979,3061) 1981.71,3061 1987.7,3055.01 2033.88,3055.01 U1.53
  power w10: v1(1888,2493) 2146.59,2751.59 2146.59,3022.94 2101.53,3068 1988.71,3068 1981.71,3061 v1(1979,3061)
SPI3_SCK: U1.51 U3.11 | length 761.3
  Top Layer w10: U3.11 1849.04,2539.65 1849.04,2491.96 v1(1849.19,2491.81) ; U1.51 2080.99,3015.44 2102.33,2994.1 2121.67,2994.1 v1(2123.59,2992.19)
  power w10: v1(1849.19,2491.81) 2123.59,2766.21 v1(2123.59,2992.19)
SUPPLY: BUS+.1 C26.2 C27.2 C37.2 C39.2 C40.2 C41.2 C43.2 C44.2 C46.1 C47.1 P11.1 Q1.3 Q3.3 Q5.3 R15.2 U3.29 U3.53 U3.54 | length 3487.1
  Top Layer w10: U3.53 1987.03,2233.05 1987.03,2266.17 2011.58,2290.71 2086.08,2290.71 C27.2@2151.08,2225.71 ; U3.54 2006.72,2233.05 2006.72,2265.7 2018.23,2277.2 2077.08,2277.2 2120.01,2234.27 2142.51,2234.27 C27.2@2151.08,2225.71 ; C27.2 C27.2@2151.08,2225.71
  Top Layer w20: v1@1409,2789 v1(1411,2791) R15.2 1455.68,2790.02 1447.38,2781.71 R15.2@1446.39,2781.71
  Top Layer w80: P11.1 1254.95,1847 2388,1847 3420,1847
SWCLK: P7.4 U1.49 | length 952.9
  Top Layer w10: U1.49 2064.28,2976.07 2068.47,2971.88 2075.67,2971.88 v1(2077.59,2969.97) ; P7.4 2246.06,3808.79 2246.06,3756.39 v1(2247.35,3755.11)
  Bottom Layer w10: v1(2077.59,2969.97) 2077.59,3582.59 v1@2246,3751
SWDIO: P7.2 U1.46 | length 1078.6
  Top Layer w10: U1.46 1923.84,2967.84 v1(1924,2968) ; v1(2343,3754) 2343.1,3754.1 2343.1,3809.98 P7.2
  power w10: v1(1924,2968) 1924,3170.91 2343,3589.91 v1(2343,3754)
TEMP_MOTOR: C58.2 P4.5 R39.2 U1.24 | length 212.8
  Top Layer w10: C58.2@1504,3133 1504.55,3133.55 U1.24
  Top Layer w20: P4.5 676.64,2574.22 685.02,2565.84 R39.2
TX_SCL_MOSI: P5.6 U1.23 U1.29 | length 1690.8
  Top Layer w10: v1(514.57,3459.21) 516,3460.63 564.16,3460.63 P5.6 ; U1.29 1597.27,3035.32 1633.68,3035.32 1688,3089.64 1688,3132.83 v1(1670.18,3150.65) 1667.47,3150.65 1664.88,3153.24 U1.23
  power w10: v1(514.57,3459.21) 942.78,3031 1459.41,3031 1579.05,3150.65 v1(1670.18,3150.65)
USB_DM: R3.1 U1.44 | length 836.7
  Top Layer w10: v1(1497,3495.39) 1497,3526.19 R3.1 ; v1(1834.06,3201.03) 1835,3200.1 1835,2999.02 1884.28,2949.74 1884.28,2905.4 U1.44
  power w10: v1(1497,3495.39) 1585.15,3495.39 1798.51,3282.04 1834.06,3246.48 v1(1834.06,3201.03)
USB_DP: R2.1 U1.45 | length 945.7
  Top Layer w10: R2.1 1429,3526.69 v1(1429,3496) ; v1(1867,3204) 1867,2992.47 1904.16,2955.31 U1.45
  power w10: v1(1429,3496) 1451.39,3518.39 1587.61,3518.39 1867,3239 v1(1867,3204)
VCC: C5.2 C6.2 C9.1 C10.1 C11.1 C12.1 C21.1 C34.1 C35.2 C38.2 C42.2 C64.2 D1.A P5.2 P7.5 R27.2 R39.1 U1.1 U1.13 U1.19 U1.32 U1.48 U1.64 U3.49 U4.5 U5.5 U5.6 U6.5 U6.6 U7.5 U7.6 U8.2 U11.1 VCC.1 | length 923
  Top Layer w10: U7.5 1508.29,756.61 ; U7.6 1495.54,782.2 1510.57,767.17 1510.57,758.89 1508.29,756.61 ; C5.2@1505.89,2938.71 1563.71,2938.71 1585,2960 1585,2975.6 1585.47,2976.07 U1.32 ; C9.1 1514.62,3231.98 U1.19 ; C35.2 1531.07,756.61 1508.29,756.61 ; U1.13 1726.99,3421.48 C11.1 ; U1.48 1963.21,2887.47 1963.69,2887 1981,2887 2012.24,2855.76 2012.24,2838.08 C10.1 ; U1.1 1963.21,3372.13 1971.57,3380.49 ; C6.2@1976,3411.09 1976,3384.92 1971.57,3380.49 ; C6.2 1971.57,3424.97 1971.57,3380.49 ; U1.64 2153.03,3271.35 C12.1@2162.68,3281
  Top Layer w20: U4.5 2836.44,3151.18 2867.19,3151.18 2868.17,3150.2 2887.49,3150.2 2910.39,3127.29 2911.38,3127.29 2919.68,3118.98 C34.1
VOLTAGE_1: R17.1 R18.1 U1.14 | length 183.3
  Top Layer w10: U1.14 1707.31,3291.69 v1(1728,3271) ; v1(3518,902) 3518,934.69 R17.1 R18.1
VOLTAGE_2: R19.1 R20.1 U1.15 | length 2832.6
  Top Layer w10: U1.15 1687.62,3274.08 1690,3271.71 v1(1690,3269) ; v1(2397,906) 2397,932.31 R19.1 R20.1
  Bottom Layer w20: v1(1690,3269) 2400,2559 2400,909 v1(2397,906)
VOLTAGE_3: R21.1 R22.1 U1.16 | length 2691.3
  Top Layer w10: v1(1302,904) 1302,934.69 R21.1 R22.1 ; v1(1664.03,3279.46) 1664.03,3282.17 1667.94,3286.08 U1.16
  Bottom Layer w20: v1(1302,904) 1302,2917.44 v1(1664.03,3279.46)
pads on no net: "U11. " P1. P1.A5 P1.A8 P1.B5 P1.B8 P2.5 P2.6 P4.7 P4.8 P5.10 P5.11 P6.4 P6.5 P7.6 P7.7 U1.2 U1.3 U1.4 U1.28 U1.33 U1.50 U1.54 U1.55 U1.56 U3.4 U3.5 U3.12 U3.25 U3.26 U3.55 U5.1 U6.1 U7.1 U11.0

## Polygon pours and split planes (outlines as drawn)
SH_B on Top Layer "SH_B_L01_P002" (solid, remove dead copper, pour order 2): 2243.97,1645 1993.18,1645 1948.18,1600 1948.18,1426 1960.18,1414 2179,1414 2193.29,1399.71 2193.29,1005.81 1992.5,1005.81 1992.5,1125.32 2020.18,1153 2020.18,1234.82 1852.18,1402.82 1852.18,1750.18 1868,1766 2242.27,1766
SH_A on Top Layer "SH_A_L01_P003" (solid, remove dead copper, pour order 3): 3359.91,1643 3147,1643 3099,1595 3099,1435 3124,1410 3344,1410 3344,1005.81 3128.89,1005.81 3128.89,1125.32 3149,1145.43 3149,1234.57 2979,1404.57 2979,1714.43 3024.57,1760 3358.27,1760
SUPPLY on Top Layer "P" (solid, remove dead copper, pour order 5): 873.1,1671 873.1,1424.9 886,1412 1827,1412 1839,1424 1839,1753 1861,1775 2264.35,1775 2264.35,1692.35 2208,1636 2002,1636 1964,1598 1964,1424 2972,1424 2974,1422 2974,1722 2972,1724 3015,1767 3414,1767 3414,1654 3383,1654 3355.04,1626.04 3137.31,1626.04 3103.84,1592.57 3103.84,1430.16 3115,1419 3997.48,1419 3999.01,1420.53 3999.01,1976 39,1976 37,1978 37,739 43,733 602,733 636,767 636,1636 781,1781 1151,1781 1151,1671
SL_A on Top Layer "SL_A_L01_P006" (solid, remove dead copper, pour order 6): 745,1723 660,1638 650,1638 650,761 612,723 62.38,723 62,723.38 62,60 3993.82,60 3999.01,65.18 3999.01,1406.7 3351,1406.7 3351,1374 3351,973 3676,973 3699,950 3699,912 3760,851 3760,702 3352,702 3352,347 3105,347 3105,851.89 3120,927.3 3120,1249 3105,1264 3090,1264 2944,1410 2211,1410 2211,976 2219,968 2562,968 2566,964 2566,918 2658,826 2658,712 2224,712 2222,710 2219,710 2219,358 1971,358 1971,1263 1831,1403 1120,1403 1114,1397 1114,966 1459,966 1482,943 1482,933 1566,849 1566,724 1567,723 1566,722 1137,722 1137,358 874,358 874,1254 834.49,1293.51 834.49,1302.16 829.84,1302.16 748,1384 748,1716 742,1722
SH_C on Top Layer "SH_C_L01_P001" (solid, remove dead copper, pour order 1): 1140.88,1640 895,1640 855,1600 855,1426 878,1403 1077.83,1403 1088.42,1392.41 1100.11,1364.18 1100.11,1005.81 899.32,1005.81 899.32,1125.32 927,1153 927,1227 759,1395 759,1724 807,1772 1139.03,1772

## Keep-outs
Keep-Out Layer:
  the board outline again, w10